# Altium PCB TempController.PcbDoc (part 1 of 2) (continued)
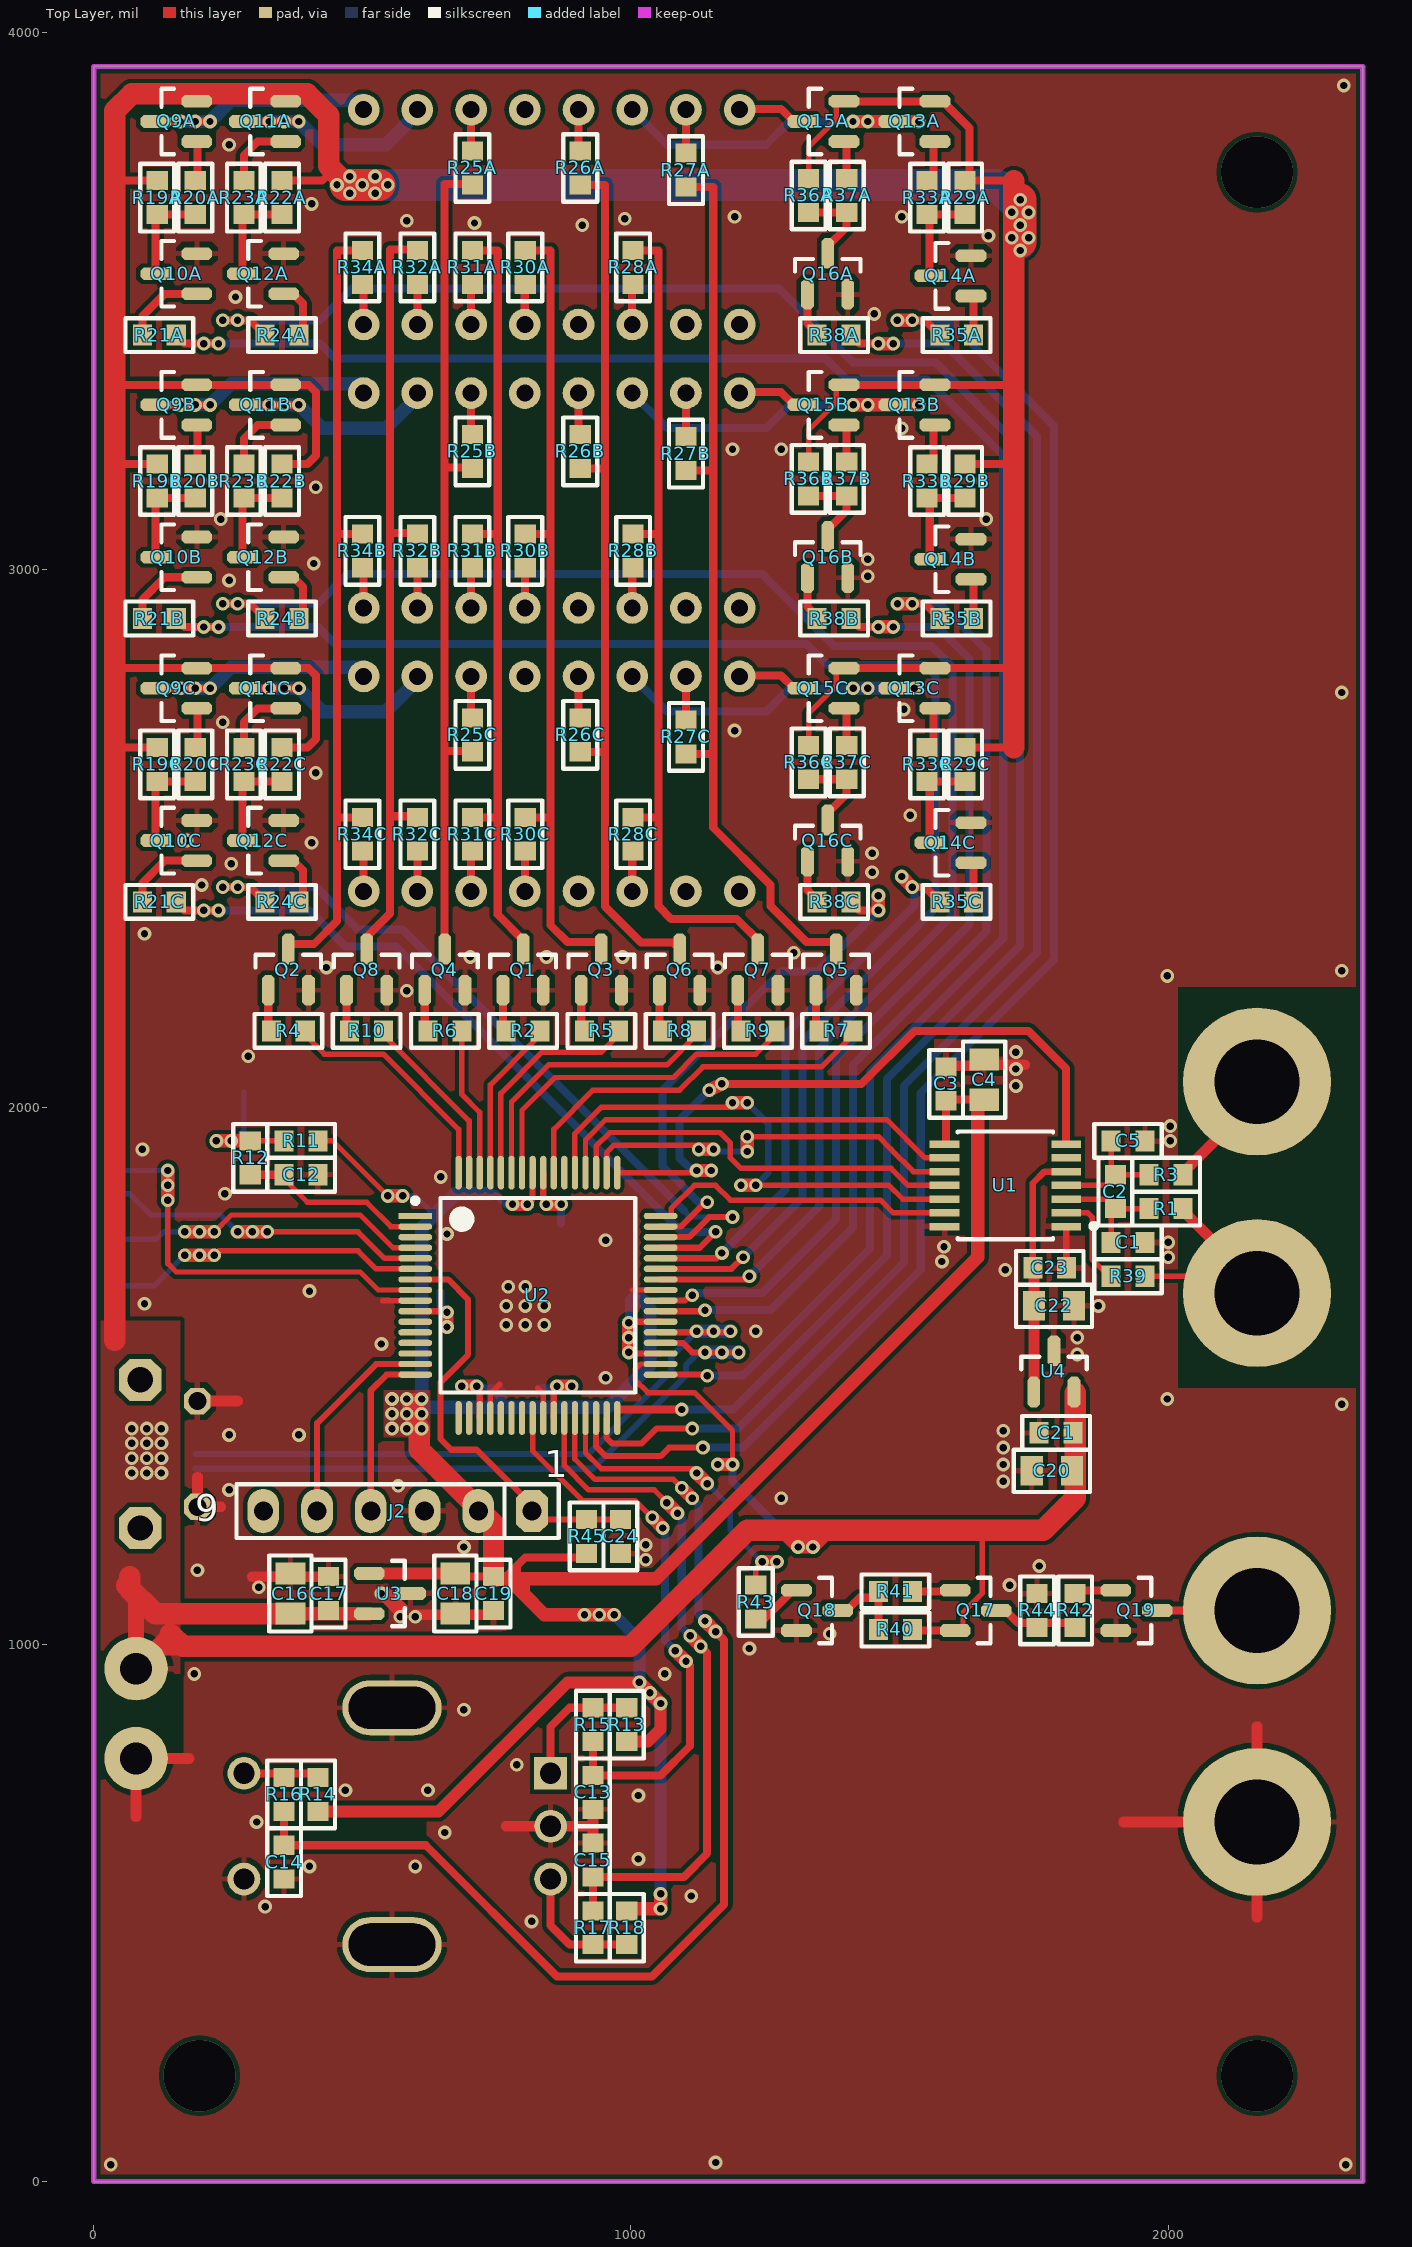
[diagram p0: Top Layer view]
## Components (designator, comment, footprint, x,y, rotation, side; value= is the part's Value field where it differs from the comment) (continued)
Q18 "BC817" SOT23-3 1346.46,1062.99 r0 top
Q19 "" SOT23-3 1940.94,1062.99 r0 top
R1 "100R, *" Size_0603_N 1996.06,1811.02 r180 top value=100R
R2 "10k, *" Size_0603_N 799.21,2141.73 r0 top value=10k
R3 "100R, *" Size_0603_N 1996.06,1874.02 r180 top value=100R
R4 "10k, *" Size_0603_N 362.2,2141.73 r0 top value=10k
R5 "10k, *" Size_0603_N 944.88,2141.73 r0 top value=10k
R6 "10k, *" Size_0603_N 653.54,2141.73 r0 top value=10k
R7 "10k, *" Size_0603_N 1381.89,2141.73 r0 top value=10k
R8 "10k, *" Size_0603_N 1090.55,2141.73 r0 top value=10k
R9 "10k, *" Size_0603_N 1236.22,2141.73 r0 top value=10k
R10 "10k, *" Size_0603_N 507.87,2141.73 r0 top value=10k
R11 "10k, *" Size_0603_N 385.83,1937.01 r180 top value=10k
R12 "10k, *" Size_0603_N 291.34,1905.51 r270 top value=10k
R13 "10k, *" Size_0603_N 992.13,850.39 r90 top value=10k
R14 "10k, *" Size_0603_N 417.32,720.47 r90 top value=10k
R15 "10k, *" Size_0603_N 929.13,850.39 r90 top value=10k
R16 "10k, *" Size_0603_N 354.33,720.47 r270 top value=10k
R17 "10k, *" Size_0603_N 929.13,472.44 r270 top value=10k
R18 "10k, *" Size_0603_N 992.13,472.44 r90 top value=10k
R19A "10k, *" Size_0603_N 118.11,3692.91 r270 top value=10k (schematic designator R19)
R19B "10k, *" Size_0603_N 118.11,3165.35 r270 top value=10k (schematic designator R19)
R19C "10k, *" Size_0603_N 118.11,2637.8 r270 top value=10k (schematic designator R19)
R20A "10k, *" Size_0603_N 188.98,3692.91 r270 top value=10k (schematic designator R20)
R20B "10k, *" Size_0603_N 188.98,3165.35 r270 top value=10k (schematic designator R20)
R20C "10k, *" Size_0603_N 188.98,2637.8 r270 top value=10k (schematic designator R20)
R21A "10k, *" Size_0603_N 122.05,3437.01 r0 top value=10k (schematic designator R21)
R21B "10k, *" Size_0603_N 122.05,2909.45 r0 top value=10k (schematic designator R21)
R21C "10k, *" Size_0603_N 122.05,2381.89 r0 top value=10k (schematic designator R21)
R22A "10k, *" Size_0603_N 350.39,3692.91 r270 top value=10k (schematic designator R22)
R22B "10k, *" Size_0603_N 350.39,3165.35 r270 top value=10k (schematic designator R22)
R22C "10k, *" Size_0603_N 350.39,2637.8 r270 top value=10k (schematic designator R22)
R23A "10k, *" Size_0603_N 279.53,3692.91 r270 top value=10k (schematic designator R23)
R23B "10k, *" Size_0603_N 279.53,3165.35 r270 top value=10k (schematic designator R23)
R23C "10k, *" Size_0603_N 279.53,2637.8 r270 top value=10k (schematic designator R23)
R24A "10k, *" Size_0603_N 350.39,3437.01 r180 top value=10k (schematic designator R24)
R24B "10k, *" Size_0603_N 350.39,2909.45 r180 top value=10k (schematic designator R24)
R24C "10k, *" Size_0603_N 350.39,2381.89 r180 top value=10k (schematic designator R24)
R25A "270R, *" Size_0603_N 704.72,3748.03 r270 top value=270R (schematic designator R25)
R25B "270R, *" Size_0603_N 704.72,3220.47 r270 top value=270R (schematic designator R25)
R25C "270R, *" Size_0603_N 704.72,2692.91 r270 top value=270R (schematic designator R25)
R26A "270R, *" Size_0603_N 905.51,3748.03 r270 top value=270R (schematic designator R26)
R26B "270R, *" Size_0603_N 905.51,3220.47 r270 top value=270R (schematic designator R26)
R26C "270R, *" Size_0603_N 905.51,2692.91 r270 top value=270R (schematic designator R26)
R27A "270R, *" Size_0603_N 1102.36,3744.09 r270 top value=270R (schematic designator R27)
R27B "270R, *" Size_0603_N 1102.36,3216.54 r270 top value=270R (schematic designator R27)
R27C "270R, *" Size_0603_N 1102.36,2688.98 r270 top value=270R (schematic designator R27)
R28A "270R, *" Size_0603_N 1003.94,3562.99 r90 top value=270R (schematic designator R28)
R28B "270R, *" Size_0603_N 1003.94,3035.43 r90 top value=270R (schematic designator R28)
R28C "270R, *" Size_0603_N 1003.94,2507.87 r90 top value=270R (schematic designator R28)
R29A "10k, *" Size_0603_N 1622.05,3692.91 r270 top value=10k (schematic designator R29)
R29B "10k, *" Size_0603_N 1622.05,3165.35 r270 top value=10k (schematic designator R29)
R29C "10k, *" Size_0603_N 1622.05,2637.8 r270 top value=10k (schematic designator R29)
R30A "270R, *" Size_0603_N 803.15,3562.99 r90 top value=270R (schematic designator R30)
R30B "270R, *" Size_0603_N 803.15,3035.43 r90 top value=270R (schematic designator R30)
R30C "270R, *" Size_0603_N 803.15,2507.87 r90 top value=270R (schematic designator R30)
R31A "270R, *" Size_0603_N 704.72,3562.99 r90 top value=270R (schematic designator R31)
R31B "270R, *" Size_0603_N 704.72,3035.43 r90 top value=270R (schematic designator R31)
R31C "270R, *" Size_0603_N 704.72,2507.87 r90 top value=270R (schematic designator R31)
R32A "270R, *" Size_0603_N 602.36,3562.99 r90 top value=270R (schematic designator R32)
R32B "270R, *" Size_0603_N 602.36,3035.43 r90 top value=270R (schematic designator R32)
R32C "270R, *" Size_0603_N 602.36,2507.87 r90 top value=270R (schematic designator R32)
R33A "10k, *" Size_0603_N 1551.18,3692.91 r270 top value=10k (schematic designator R33)
R33B "10k, *" Size_0603_N 1551.18,3165.35 r270 top value=10k (schematic designator R33)
R33C "10k, *" Size_0603_N 1551.18,2637.8 r270 top value=10k (schematic designator R33)
R34A "270R, *" Size_0603_N 500,3562.99 r90 top value=270R (schematic designator R34)
R34B "270R, *" Size_0603_N 500,3035.43 r90 top value=270R (schematic designator R34)
R34C "270R, *" Size_0603_N 500,2507.87 r90 top value=270R (schematic designator R34)
R35A "10k, *" Size_0603_N 1606.3,3437.01 r180 top value=10k (schematic designator R35)
R35B "10k, *" Size_0603_N 1606.3,2909.45 r180 top value=10k (schematic designator R35)
R35C "10k, *" Size_0603_N 1606.3,2381.89 r180 top value=10k (schematic designator R35)
R36A "10k, *" Size_0603_N 1330.71,3696.85 r270 top value=10k (schematic designator R36)
R36B "10k, *" Size_0603_N 1330.71,3169.29 r270 top value=10k (schematic designator R36)
R36C "10k, *" Size_0603_N 1330.71,2641.73 r270 top value=10k (schematic designator R36)
R37A "10k, *" Size_0603_N 1401.57,3696.85 r270 top value=10k (schematic designator R37)
R37B "10k, *" Size_0603_N 1401.57,3169.29 r270 top value=10k (schematic designator R37)
R37C "10k, *" Size_0603_N 1401.57,2641.73 r270 top value=10k (schematic designator R37)
R38A "10k, *" Size_0603_N 1377.95,3437.01 r0 top value=10k (schematic designator R38)
R38B "10k, *" Size_0603_N 1377.95,2909.45 r0 top value=10k (schematic designator R38)
R38C "10k, *" Size_0603_N 1377.95,2381.89 r0 top value=10k (schematic designator R38)
R39 "100R, *" Size_0603_N 1925.2,1685.04 r180 top value=100R
R40 "10k, *" Size_0603_N 1492.13,1027.56 r0 top value=10k
R41 "10k, *" Size_0603_N 1492.13,1098.43 r0 top value=10k
R42 "1k, *" Size_0603_N 1826.77,1062.99 r90 top value=1k
R43 "10k, *" Size_0603_N 1232.28,1078.74 r270 top value=10k
R44 "1k, *" Size_0603_N 1755.91,1062.99 r90 top value=1k
R45 "10k, *" Size_0603_N 917.32,1200.79 r90 top value=10k
SD1 "104031-0811" MOLX-104031-0811_V 248.52,1804.63 r90 bottom
SEG1A "4x7seg" LTC-4627JR 852.36,3656.69 r0 bottom locked (schematic designator SEG1)
SEG1B "4x7seg" LTC-4627JR 852.36,3129.13 r0 bottom locked (schematic designator SEG1)
SEG1C "4x7seg" LTC-4627JR 852.36,2601.57 r0 bottom (schematic designator SEG1)
SWR1 "PEC12R-4225F-S0024" PEC12R 555.12,661.42 r270 bottom
U1 "MAX31856MUD+" FP-U14-2-MFG 1696.85,1854.33 r180 top
U2 "PIC32MX470FXXXH" TSQFP50P1200X1200X120-64M 826.77,1649.61 r0 top locked
U3 "TLV76033DBZR" SOT23-3 551.18,1094.49 r0 top
U4 "TLV76033DBZR" SOT23-3 1787.4,1507.87 r90 top

## Footprints (in the part's own frame and the unit in brackets; to place one, negate y for a bottom-side part, rotate by r counter-clockwise, add the part's x,y. Pads: shape width x height; smd on the part's side, far side on the other; paste and mask are expansions set on the pad)
FP-U14-2-MFG [mm]
  rect 1.4x0.35 smd paste+0 mask+0: 1(-2.875,1.95) 2(-2.875,1.3) 3(-2.875,0.65) 4(-2.875,0) 5(-2.875,-0.65) 6(-2.875,-1.3) 7(-2.875,-1.95) 8(2.875,-1.95) 9(2.875,-1.3) 10(2.875,-0.65) 11(2.875,0) 12(2.875,0.65) 13(2.875,1.3) 14(2.875,1.95)
  silkscreen extent -4.3,-2.55 2.25,2.55
"HDR1X6 VERT - L" [mm] "Connector; Header; 6 Position; Vertical Mount"
  oct 1.5x2 hole 0.9: 1(0,0)
  oval 1.5x2.1 hole 0.9: 2(2.54,0) 3(5.08,0) 4(7.62,0) 5(10.16,0) 6(12.7,0)
  silkscreen extent -1.27,-1.27 13.97,1.27, body extent -1.24,-1.29 14,1.25, height 8.77
LTC-4627JR [mm]
  round 1.5 hole 0.8: 1(-8.89,-5.08) 2(-6.35,-5.08) 3(-3.81,-5.08) 4(-1.27,-5.08) 5(1.27,-5.08) 6(3.81,-5.08) 7(6.35,-5.08) 8(8.89,-5.08) 9(8.89,5.08) 10(6.35,5.08) 11(3.81,5.08) 12(1.27,5.08) 13(-1.27,5.08) 14(-3.81,5.08) 15(-6.35,5.08) 16(-8.89,5.08)
  silkscreen extent -20.9,-6.4 20.9,6.4
MOLX-104031-0811_V [mm] "Micro SD, 8-Leads, Body 11.95x11.4mm, Pitch 1.1mm"
  rect 0.85x1.1 smd: 1(3.113,-5.412) 2(2.013,-5.412) 3(0.913,-5.412) 4(-0.188,-5.412) 5(-1.288,-5.412) 6(-2.387,-5.412) 7(-3.487,-5.412)
  rect 0.75x1.1 smd: 8(-4.537,-5.412)
  rect 1.2x1 smd: 9(5.748,0.738) 10(5.748,4.438)
  rect 1.55x1.35 smd: 11(5.573,-5.287)
  rect 1.17x1.8 smd: 12(-5.747,-5.062)
  rect 1.9x1.35 smd: 13(-3.722,5.413) 14(2.248,5.413)
  silkscreen extent -5.97,-6.64 5.98,5.74, body extent -5.97,-5.66 5.98,5.74, height 1.45
PEC12R [mm]
  round 1.55 hole 1 paste-1000 mask+0: 1(-2.5,7) 2(2.5,7) B(2.5,-7.5) C(0,-7.5)
  rrect100% 2.6x4.7 hole 4.1 slot 2 at 0 deg paste-1000 mask+0: 3(-5.6,0) 4(5.6,0)
  rect 1.55x1.55 hole 1 paste-1000 mask+0: A(-2.5,-7.5)
  silkscreen extent -6.45,-8.98 6.45,6.95, body extent -7,-7.63 7,7.13, height 25.5
Size_0603_N [mm] "Chip Resistor, Body 1.6x0.8mm, IPC Medium Density"
  rect 0.9x1 smd: 1(-0.8,0) 2(0.8,0)
  silkscreen extent -1.6,-0.8 1.6,0.8, body extent -0.8,-0.4 0.8,0.4, height 0.46
Size_0805_N [mm] "Chip Resistor, Body 2.0x1.3mm, IPC Medium Density"
  rect 1.05x1.4 smd: 1(-0.95,0) 2(0.95,0)
  silkscreen extent -1.8,-1 1.8,1, body extent -1,-0.62 1,0.63, height 0.62
SOT23-3 [mm]
  oct 1.45x0.6 smd: 1(-0.975,0.95) 2(-0.975,-0.95) 3(0.975,0)
  silkscreen extent 0.1,-1.55 0.7,1.55, body extent -1.4,-1.45 1.4,1.45, height 1.3
TSQFP50P1200X1200X120-64M [mm] "TSQFP, 64-Leads, Body 10.00x10.00mm, Pitch 0.50mm, IPC Low Density"
  rect 1.6x0.3 smd: 1(-5.8,3.75)
  oval 1.6x0.3 smd: 2(-5.8,3.25) 3(-5.8,2.75) 4(-5.8,2.25) 5(-5.8,1.75) 6(-5.8,1.25) 7(-5.8,0.75) 8(-5.8,0.25) 9(-5.8,-0.25) 10(-5.8,-0.75) 11(-5.8,-1.25) 12(-5.8,-1.75) 13(-5.8,-2.25) 14(-5.8,-2.75) 15(-5.8,-3.25) 16(-5.8,-3.75) 33(5.8,-3.75) 34(5.8,-3.25) 35(5.8,-2.75) 36(5.8,-2.25) 37(5.8,-1.75) 38(5.8,-1.25) 39(5.8,-0.75) 40(5.8,-0.25) 41(5.8,0.25) 42(5.8,0.75) 43(5.8,1.25) 44(5.8,1.75) 45(5.8,2.25) 46(5.8,2.75) 47(5.8,3.25) 48(5.8,3.75)
  oval 0.3x1.6 smd: 17(-3.75,-5.8) 18(-3.25,-5.8) 19(-2.75,-5.8) 20(-2.25,-5.8) 21(-1.75,-5.8) 22(-1.25,-5.8) 23(-0.75,-5.8) 24(-0.25,-5.8) 25(0.25,-5.8) 26(0.75,-5.8) 27(1.25,-5.8) 28(1.75,-5.8) 29(2.25,-5.8) 30(2.75,-5.8) 31(3.25,-5.8) 32(3.75,-5.8) 49(3.75,5.8) 50(3.25,5.8) 51(2.75,5.8) 52(2.25,5.8) 53(1.75,5.8) 54(1.25,5.8) 55(0.75,5.8) 56(0.25,5.8) 57(-0.25,5.8) 58(-0.75,5.8) 59(-1.25,5.8) 60(-1.75,5.8) 61(-2.25,5.8) 62(-2.75,5.8) 63(-3.25,5.8) 64(-3.75,5.8)
  silkscreen extent -5.92,-4.6 4.6,4.6, body extent -6,-6 6,6, height 1.2
"USB-MICRO-B (10118194-0001LF)" [mm] "Round Holes; USB - micro B USB 2.0 Receptacle Connector 5 Position Surface Mount, Right Angle, Horizontal"
  oval 0.4x1.4 smd mask+0.08: 1(-1.3,2.7) 2(-0.65,2.7) 3(0,2.7) 4(0.65,2.7) 5(1.3,2.7)
  oct 2x2 hole 1.2: Shield(-3.5,0) Shield(3.5,0)
  oct 1.25x1.25 hole 0.85: Shield(-2.5,2.7) Shield(2.5,2.7)
  silkscreen extent -3.81,-2.15 3.81,2.8, body extent -4,-2.69 4.05,2.89, height 3.13

## Part data
C1 C2 C3 C4 C5 C6 C7 C8 C9 C10 C11 C12 C13 C14 C15 C16 C17 C18 C19 C20 C21 C22 C23 C24: library part "-Cap Non-Pol", "=Value"
J1: "Female Micro USB Type B"
J2: library part "Header 1-6"
Q1 Q2 Q3 Q4 Q5 Q6 Q7 Q8 Q10A Q10B Q10C Q12A Q12B Q12C Q14A Q14B Q14C Q16A Q16B Q16C Q18: library part 1-BJT_NPN, "NPN General Purpose"
Q9A Q9B Q9C Q11A Q11B Q11C Q13A Q13B Q13C Q15A Q15B Q15C Q17: library part 1-BJT-PNP
Q19: library part 1-Mosfet_N, "N-Channel Mosfet"
R1 R3 R25A R25B R25C R26A R26B R26C R27A R27B R27C R28A R28B R28C R30A R30B R30C R31A R31B R31C R32A R32B R32C R34A R34B R34C R39: library part -Res, "=Value", Tolerance=1%
R2 R4 R5 R6 R7 R8 R9 R10 R11 R12 R13 R14 R15 R16 R17 R18 R19A R19B R19C R20A R20B R20C R21A R21B R21C R22A R22B R22C R23A R23B R23C R24A R24B R24C R29A R29B R29C R33A R33B R33C R35A R35B R35C R36A R36B R36C R37A R37B R37C R38A R38B R38C R40 R41 R42 R43 R44 R45: library part -Res, "=Value", Tolerance=.1%
SD1: library part CMP-2000-05825-1, "Micro SD Card, RA, -25 to 85 degC, 8-Pin SMD, RoHS, Tape and Reel", Current Rating=500mA, Manufacturer=Molex, Package Description="8-Pin Surface Mount Device, Body 11.95 x 11.4 mm, Pitch 1.1 mm", Voltage Rating=10VAC/DC, Brand=Molex, Card Type=microSD, Contact Material=PhosphorBronze, Contact Plating=Gold, Datasheet URL=http://www.molex.com/pdm_docs/sd/1040310811_sd.pdf, Datasheet Version="Rev. E, 04/2006", Height=1.42mm, Housing Material=LiquidCrystalPolymer(LCP), Insertion - Extraction Style=Push-Pull, Length=11.4mm, Manufacturer URL=http://www.molex.com/, Mating Cycles=10000, Mounting Technology=SurfaceMount, Mounting Type=Standard, Number of Contacts=8, Number of Rows=1Row, Orientation=RightAngle, Package Reference=104031-0811, Packaging=Reel, Pitch=1.1mm, Product=CardConnectors, Product Category=MemoryCardConnectors, RoHS=True, Series=104031, Termination Style=SMD
U1: library part CMP-05752-000010-1, "IC CONV THERMOCOUPLE 14TSSOP", Case/Package=TSSOP, Max Operating Temperature=125°C, Max Supply Voltage=3.6V, Min Operating Temperature=-55°C, Min Supply Voltage=3V, Operating Supply Current=1.2mA, Interface=SPI, Mount="Surface Mount", Number of Pins=14, Output Type=Digital, Packaging=Rail/Tube
U2: library part MCU_PIC32MX470FXXXH
U3 U4: library part "1-linreg_3 O1I2G3"

## Free pads (board coordinates)
  round 275.59 hole 157.48: 2(2165.35,2047.24) 3(2165.35,669.29) 3(2165.35,1062.99) 3(2165.35,1653.54)
  round 118.11 hole 59.06: 4(78.74,954.72) 5(78.74,787.4)

## Via types
v1: diameter 25.59, hole 13.78, Top Layer to Bottom Layer, tented both sides, 290 vias
v2: diameter 133.86, hole 133.86, Top Layer to Bottom Layer, tented both sides, 3 vias

## Nets (pads, with @x,y where several pads share a name; then routed paths per layer and width w, separated by ;. In a path a pad name is that pad's centre, name@x,y a point inside that pad or via, vN(x,y) a via of type N, cw(c..) or ccw(c..) an arc to the next point about the centre after c; other vN are vias at no path point)
5V: C16.2 C17.2 C20.2 C21.2 J1.1 pad.4 Q9A.2 Q9B.2 Q9C.2 Q11A.2 Q11B.2 Q11C.2 Q13A.2 Q13B.2 Q13C.2 Q15A.2 Q15B.2 Q15C.2 Q17.2 R19A.1 R19B.1 R19C.1 R22A.1 R22B.1 R22C.1 R29A.1 R29B.1 R29C.1 R36A.1 R36B.1 R36C.1 R40.2 U2.34 U3.2 U4.2 | length 12512.5
  Top Layer w10: U2.34@1055.12,1521.65 1017.72,1521.65 1007.87,1511.81 1007.87,1492.13 1031.5,1468.5 1118.11,1468.5 1188.98,1397.64 v1(1188.98,1334.65) v1@1188.98,1326.77 ; R36A.1@1330.63,3728.29 1330.63,3787.35 1381.81,3838.53 Q15A.2@1381.81,3870.02 ; R36C.1@1330.71,2673.23 1330.71,2732.28 1381.89,2783.46 Q15C.2@1381.89,2814.96 ; R36B.1@1330.71,3200.79 1330.71,3259.84 1381.89,3311.02 Q15B.2@1381.89,3342.52 ; Q17.2@1603.35,1025.59 1618.11,1025.59 1618.11,1059.06 1653.54,1094.49 1653.54,1204.72
  Top Layer w15: 39.37,2669.29 R19C.1@118.11,2669.29 ; 39.37,2799.21 57.09,2816.93 Q9C.2@191.93,2816.93 Q11C.2@357.28,2816.93 399.61,2816.93 413.39,2803.15 413.39,2685.04 397.64,2669.29 R22C.1@354.33,2669.29 ; 39.37,3196.85 R19B.1@118.11,3196.85 ; 39.37,3344.49 Q9B.2@191.93,3344.49 Q11B.2@357.28,3344.49 399.61,3344.49 413.39,3330.71 413.39,3212.6 397.64,3196.85 R22B.1@354.33,3196.85 ; 39.37,3724.41 R19A.1@118.11,3724.41 ; 47.24,2732.28 47.24,2799.21 ; R22A.1@350.39,3724.41 425.2,3724.41 444.88,3744.09 ; Q15A.2@1396.65,3872.05 Q13A.2@1572.75,3871.99 ; Q15C.2@1396.65,2816.93 Q13C.2@1565.94,2816.93 1712.6,2816.93 1714.57,2816.93 ; Q15B.2@1396.65,3344.49 Q13B.2@1565.94,3344.49 1712.6,3344.49 ; R40.2@1517.72,1025.59 Q17.2@1603.35,1025.59 ; Q13A.2@1578.66,3873.96 1629.84,3822.78 1629.84,3732.23 R29A.1@1621.96,3724.35 ; R29C.1@1622.05,2669.29 1712.6,2669.29 ; R29B.1@1622.05,3196.85 1712.6,3196.85 ; R29A.1@1622.05,3724.41 1696.85,3724.41
  Top Layer w25: C16.2@379.92,1057.09 U3.2@512.8,1057.09 ; v1(1161.42,1334.65) v1(1188.98,1334.65) ; 1279.53,1212.6 v1(1311.02,1181.1) v1(1338.58,1181.1) 1362.2,1204.72
  Top Layer w30: 78.74,1082.68 pad.4@78.74,954.72 pad.4@118.11,994.09 ; 137.8,1013.78 pad.4@118.11,994.09 ; 196.85,994.09 pad.4@118.11,994.09
  Top Layer w40: 39.37,1565.63 39.37,2669.29 39.37,2732.28 39.37,2799.21 39.37,2816.93 39.37,3196.85 39.37,3344.49 39.37,3724.41 39.37,3854.33 70.87,3885.83 397.64,3885.83 437.01,3846.46 437.01,3751.97 444.88,3744.09 462.6,3726.38 464.57,3724.41 ; 61.8,1109.46 114.17,1057.09 C16.2@379.92,1057.09 ; 66.93,1125.98 66.93,1102.36 82.68,1086.61 ; 142.72,1018.7 165.35,996.06 1000,996.06 1216.54,1212.6 1279.53,1212.6 1767.72,1212.6 1826.77,1271.65 U4.2@1826.77,1468.5 ; 1712.6,2669.29 1712.6,2816.93 1712.6,3196.85 1712.6,3344.49 1712.6,3724.41
  Top Layer w60: 468.5,3716.54 v1(500,3716.54) 531.5,3716.54 ; 1724.41,3610.24 v1(1724.41,3641.73) v1(1724.41,3688.98)
  Bottom Layer w15: v1(1188.98,1334.65) 1188.98,1303.15 v1(1311.02,1181.1)
  Bottom Layer w25: v1(1161.42,1334.65) v1(1188.98,1334.65) ; v1(1311.02,1181.1) v1@1334.65,1181.1
  Bottom Layer w60: 468.5,3716.54 v1(500,3716.54) v1(547.24,3716.54) 1681.1,3716.54 1724.41,3673.23 v1(1724.41,3641.73) v1@1724.41,3607.27
  other v1: 70.87,1318.9 98.43,1318.9 125.98,1318.9 70.87,1346.46 98.43,1346.46 125.98,1346.46 70.87,1374.02 98.43,1374.02 125.98,1374.02 70.87,1401.57 98.43,1401.57 125.98,1401.57 1724.41,3594.49 1708.66,3618.11 1740.16,3618.11 1708.66,3665.35 1740.16,3665.35 476.38,3700.79 523.62,3700.79 452.76,3716.54 476.38,3732.28 523.62,3732.28
A: Q1.3 R31A.2 R31B.2 R31C.2 | length 1444.7
  Top Layer w15: R31A.2@704.64,3594.43 751.89,3594.43 751.97,3594.35 751.97,3066.93 ; R31C.2@704.72,2539.37 751.97,2539.37 ; R31B.2@704.72,3066.93 751.97,3066.93 ; Q1.3@799.21,2311.02 751.97,2358.27 751.97,2539.37 ; 751.97,2539.37 751.97,3066.93
A_BUF: R2.2 U2.61 | length 301.1
  Top Layer w10: U2.61@738.19,1877.95 738.19,2041.34 818.9,2122.05 R2.2@818.9,2141.73 ; R2.2@830.71,2137.8 R2.2@830.71,2141.73
AVdd: C22.2 C23.2 U1.5 U4.1 | length 461.7
  Top Layer w12: C23.2@1748.03,1696.85 C23.2@1748.03,1700.79 1748.03,1858.27 1769.69,1879.92 U1.5@1810.04,1879.92
  Top Layer w20: U4.1@1750,1469.49 C22.2@1750,1629.92 C23.2@1750,1698.82
B: Q2.3 R34A.2 R34B.2 R34C.2 | length 1501.9
  Top Layer w15: Q2.3@362.2,2294.29 371.06,2303.15 409.45,2303.15 452.67,2346.37 452.67,2539.37 ; 452.76,3066.93 R34B.2@500,3066.93 ; R34A.2@499.92,3594.43 452.67,3594.43 452.67,3066.93 452.67,2539.37 ; R34C.2@500,2539.37 452.67,2539.37
B_BUF: R4.2 U2.64 | length 438.7
  Top Layer w10: R4.2@393.7,2133.86 429.13,2098.43 539.37,2098.43 679.13,1958.66 U2.64@679.13,1877.95
C: Q3.3 R30A.2 R30B.2 R30C.2 | length 1501.2
  Top Layer w15: R30A.2@803.07,3594.43 850.31,3594.43 850.39,3594.35 850.39,3066.93 ; R30C.2@803.15,2539.37 850.39,2539.37 ; R30B.2@803.15,3066.93 850.39,3066.93 ; Q3.3@940.94,2307.09 881.89,2307.09 850.39,2338.58 850.39,2539.37 ; 850.39,2539.37 850.39,3066.93
C_BUF: R5.2 U2.60 | length 411
  Top Layer w10: U2.60@757.87,1877.95 757.87,2025.59 834.65,2102.36 944.88,2102.36 R5.2@976.38,2133.86
CS: U1.9 U2.52 | length 773.2
  Top Layer w10: U2.52@915.35,1877.95 915.35,1938.98 952.76,1976.38 1476.38,1976.38 1547.24,1905.51 U1.9@1582.68,1905.51
D: Q4.3 R25A.2 R25B.2 R25C.2 | length 1582.6
  Top Layer w15: Q4.3@653.54,2294.29 652.56,2295.28 652.56,2662.93 ; R25C.2@704.72,2661.42 703.21,2662.93 652.56,2662.93 ; R25B.2@704.72,3188.98 703.21,3190.49 652.56,3190.49 ; R25A.2@704.72,3716.54 703.27,3717.99 652.48,3717.99 652.56,3717.91 652.56,3190.49 ; 652.56,2662.93 652.56,3190.49
D1A: R21A.2 U2.33 | length 3702.4
  Top Layer w11.5: U2.33@1055.12,1501.97 v1@1139.76,1501.97
  Top Layer w15: R21A.2@169.21,3421.2 v1(204.64,3421.2) v1(232.2,3421.2)
  Bottom Layer w15: v1@204.72,3421.26 421.26,3421.26 448.82,3393.7 1362.2,3393.7 1401.57,3354.33 1551.18,3354.33 1692.91,3212.6 1692.91,2313.73 1444.88,2065.69 1444.88,1736.22 1208.66,1500 v1(1141.73,1500)
D1AA: Q9A.3 SEG1A.1 | length 460.2
  Top Layer w15: Q9A.3@115.07,3834.59 v1(161.33,3834.59) v1(188.89,3834.59) v1(216.45,3834.59) v1@220.39,3834.59
  Bottom Layer w25: v1(161.33,3834.59) v1(188.89,3834.59) v1(216.45,3834.59) 255.82,3873.96 SEG1A.1@499.92,3873.96
D1AB: Q9B.3 SEG1B.1 | length 460.2
  Top Layer w15: Q9B.3@115.16,3307.09 v1(161.42,3307.09) v1(188.98,3307.09) v1(216.54,3307.09) v1@220.47,3307.09
  Bottom Layer w25: v1(161.42,3307.09) v1(188.98,3307.09) v1(216.54,3307.09) 255.91,3346.46 SEG1B.1@500,3346.46
D1AC: Q9C.3 SEG1C.1 | length 460.2
  Top Layer w15: Q9C.3@115.16,2779.53 v1(161.42,2779.53) v1(188.98,2779.53) v1(216.54,2779.53) v1@220.47,2779.53
  Bottom Layer w25: v1(161.42,2779.53) v1(188.98,2779.53) v1(216.54,2779.53) 255.91,2818.9 SEG1C.1@500,2818.9
D1B: R21B.2 U2.43 | length 2856.3
  Top Layer w11.5: U2.43@1055.12,1698.82 1187.01,1698.82 v1(1208.66,1720.47)
  Top Layer w15: R21B.2@169.29,2893.7 v1(204.72,2893.7) v1(232.28,2893.7)
  Bottom Layer w15: v1(204.72,2893.7) 417.32,2893.7 448.82,2862.2 1326.77,2862.2 1366.14,2822.83 1547.24,2822.83 1566.93,2803.15 1566.93,2370.08 1318.9,2122.05 1318.9,1830.71 v1(1208.66,1720.47)
D1C: R21C.2 U2.45 | length 1377.2
  Top Layer w11.5: U2.45@1055.12,1738.19 1127.95,1738.19 v1(1157.48,1767.72)
  Top Layer w15: R21C.2@169.29,2366.14 v1(204.72,2366.14) v1(232.28,2366.14)
  Bottom Layer w15: v1(204.72,2366.14) v1(232.28,2366.14) 401.57,2366.14 468.5,2299.21 562.99,2299.21 1094.49,1767.72 v1@1156.46,1767.72
D2A: R24A.2 U2.32 | length 3947.6
  Top Layer w15: v1(240.08,3464.51) v1(267.63,3464.51) 291.26,3464.51 R24A.2@318.82,3436.95 ; U2.32@980.32,1437.01 v1(1094.49,1437.01)
  Bottom Layer w15: v1@240.16,3464.57 v1@267.63,3464.57 ; v1(267.63,3464.51) 421.2,3464.51 480.31,3523.62 1275.59,3523.62 1413.39,3385.83 1566.93,3385.83 1724.41,3228.35 1724.41,2300.68 1476.38,2052.65 1476.38,1723.17 1190.21,1437.01 v1(1094.49,1437.01) v1@1090.55,1437.01
D2AA: Q11A.3 SEG1A.2 | length 430.5
  Top Layer w15: Q11A.3@280.43,3834.59 v1(326.69,3834.59) v1(354.25,3834.59) v1(381.81,3834.59)
  Bottom Layer w25: v1(326.69,3834.59) v1(354.25,3834.59) v1(381.81,3834.59) 425.11,3791.28 543.22,3791.28 SEG1A.2@610.15,3858.21
D2AB: Q11B.3 SEG1B.2 | length 430.5
  Top Layer w15: Q11B.3@280.51,3307.09 v1(326.77,3307.09) v1(354.33,3307.09) v1(381.89,3307.09)
  Bottom Layer w25: v1(326.77,3307.09) v1(354.33,3307.09) v1(381.89,3307.09) 425.2,3263.78 543.31,3263.78 SEG1B.2@610.24,3330.71
D2AC: Q11C.3 SEG1C.2 | length 430.5
  Top Layer w15: Q11C.3@280.51,2779.53 v1(326.77,2779.53) v1(354.33,2779.53) v1(381.89,2779.53)
  Bottom Layer w25: v1(326.77,2779.53) v1(354.33,2779.53) v1(381.89,2779.53) 425.2,2736.22 543.31,2736.22 SEG1C.2@610.24,2803.15
D2B: R24B.2 U2.42 | length 3001.2
  Top Layer w11.5: U2.42@1055.12,1679.13 1214.57,1679.13 v1(1220.47,1685.04)
  Top Layer w15: v1(240.16,2937.01) v1(267.72,2937.01) 291.34,2937.01 R24B.2@318.9,2909.45
  Bottom Layer w15: v1(240.16,2937.01) v1(267.72,2937.01) 417.32,2937.01 472.44,2992.13 1244.09,2992.13 1377.95,2858.27 1559.06,2858.27 1598.43,2818.9 1598.43,2357.03 1350.39,2109 1350.39,1814.96 v1(1220.47,1685.04)
D2C: R24C.2 U2.46 | length 1442.7
  Top Layer w11.5: U2.46@1055.12,1757.87 1108.27,1757.87 1145.67,1795.28 v1(1188.98,1795.28)
  Top Layer w15: v1(240.16,2409.45) v1(267.72,2409.45) 291.34,2409.45 R24C.2@318.9,2381.89
  Bottom Layer w10: 1098.43,1807.09 1110.24,1795.28 v1(1188.98,1795.28)
  Bottom Layer w15: v1(240.16,2409.45) v1(267.72,2409.45) 413.39,2409.45 492.13,2330.71 574.8,2330.71 1098.43,1807.09
D3A: R35A.2 U2.30 | length 2944.8
  Top Layer w11.5: U2.30@935.04,1421.26 935.04,1368.11 952.76,1350.39 1055.12,1350.39 1070.87,1366.14 v1(1133.86,1366.14)
  Top Layer w15: v1(1523.54,3464.51) 1547.16,3464.51 R35A.2@1574.72,3436.95
  Top Layer w25: v1(1495.98,3464.51) v1(1523.54,3464.51)
  Bottom Layer w15: v1(1133.86,1366.14) 1208.43,1366.14 1539.37,1697.08 1539.37,2026.56 1787.4,2274.59 1787.4,3267.72 1590.55,3464.57 1523.54,3464.57 v1@1496.06,3464.57
D3AA: Q13A.3 SEG1A.6 | length 703.2
  Top Layer w25: v1(1413.3,3834.59) v1(1440.86,3834.59) v1(1535.35,3834.59)
  Bottom Layer w15: SEG1A.6@999.92,3858.21 1066.85,3791.28 1251.89,3791.28 1295.19,3834.59 v1(1413.3,3834.59)
  Bottom Layer w25: v1(1413.3,3834.59) v1(1440.86,3834.59) v1(1535.35,3834.59)
D3AB: Q13B.3 SEG1B.6 | length 703.1
  Top Layer w25: v1(1413.39,3307.09) v1(1440.94,3307.09) Q13B.3@1489.17,3307.09 v1(1535.43,3307.09)
  Bottom Layer w15: SEG1B.6@1000,3330.71 1066.93,3263.78 1251.97,3263.78 1295.28,3307.09 v1(1413.39,3307.09)
  Bottom Layer w25: v1(1413.39,3307.09) v1(1440.94,3307.09) v1(1535.43,3307.09)
D3AC: Q13C.3 SEG1C.6 | length 573.2
  Bottom Layer w15: SEG1C.6@1000,2803.15 1066.93,2736.22 1251.97,2736.22 1295.28,2779.53 v1(1413.39,2779.53)
  Bottom Layer w25: v1(1413.39,2779.53) v1(1440.94,2779.53) v1(1527.56,2779.53)
D3B: R35B.2 U2.39 | length 1891.6
  Top Layer w11.5: U2.39@1055.12,1620.08 1127.95,1620.08 1129.92,1622.05 v1(1137.8,1622.05)
  Top Layer w15: v1(1523.62,2937.01) 1547.24,2937.01 R35B.2@1574.8,2909.45
  Top Layer w25: v1(1496.06,2937.01) v1(1523.62,2937.01)
  Bottom Layer w15: v1(1137.8,1622.05) 1259.84,1622.05 1413.39,1775.59 1413.39,2078.74 1661.42,2326.77 1661.42,2850.39 1574.8,2937.01 v1(1523.62,2937.01) v1(1496.06,2937.01)
D3C: R35C.2 U2.44 | length 1067.7
  Top Layer w11.5: U2.44@1055.12,1718.5 1159.45,1718.5 v1(1169.29,1728.35)
  Top Layer w15: v1(1523.62,2409.45) 1547.24,2409.45 R35C.2@1574.8,2381.89
  Top Layer w25: v1(1503.94,2429.13) v1(1523.62,2409.45)
  Bottom Layer w15: v1(1169.29,1728.35) 1287.4,1846.46 1287.4,2135.09 1527.56,2375.25 1527.56,2405.51 v1(1523.62,2409.45) v1(1503.94,2429.13)
D4A: R38A.2 U2.31 | length 2825.2
  Top Layer w11.5: U2.31@954.72,1421.26 954.72,1383.86 964.57,1374.02 1019.68,1374.02 1043.31,1397.64 1047.24,1401.57 v1(1114.17,1401.57)
  Top Layer w15: R38A.2@1413.3,3433.02 1425.11,3421.2 v1(1460.55,3421.2)
  Top Layer w25: v1(1460.55,3421.2) v1(1488.11,3421.2)
  Bottom Layer w15: v1@1110.24,1401.57 1199.32,1401.57 1507.87,1710.13 1507.87,2039.6 1755.91,2287.63 1755.91,3248.03 1582.68,3421.26 v1@1460.63,3421.26
D4AA: Q15A.3 SEG1A.8 | length 128.9
  Top Layer w15: SEG1A.8@1200.71,3858.21 1279.45,3858.21 1303.07,3834.59 Q15A.3@1319.8,3834.59
D4AB: Q15B.3 SEG1B.8 | length 128.9
  Top Layer w15: SEG1B.8@1200.79,3330.71 1279.53,3330.71 1303.15,3307.09 Q15B.3@1319.88,3307.09
D4AC: Q15C.3 SEG1C.8 | length 128.9
  Top Layer w15: SEG1C.8@1200.79,2803.15 1279.53,2803.15 1303.15,2779.53 Q15C.3@1319.88,2779.53